# Altium PCB QCopterMV__Pcb.PcbDoc (part 1 of 2)
Units mil, origin at the board's own origin, x right, y up, seen from the top; angles counter-clockwise.
Board outline 2677.17 x 1299.21 mil, 2 copper layers (Top Layer, Bottom Layer); 62 components, 103 nets, 336 pads, 115 vias.
Unrouted connection lines stored in the file: 1.
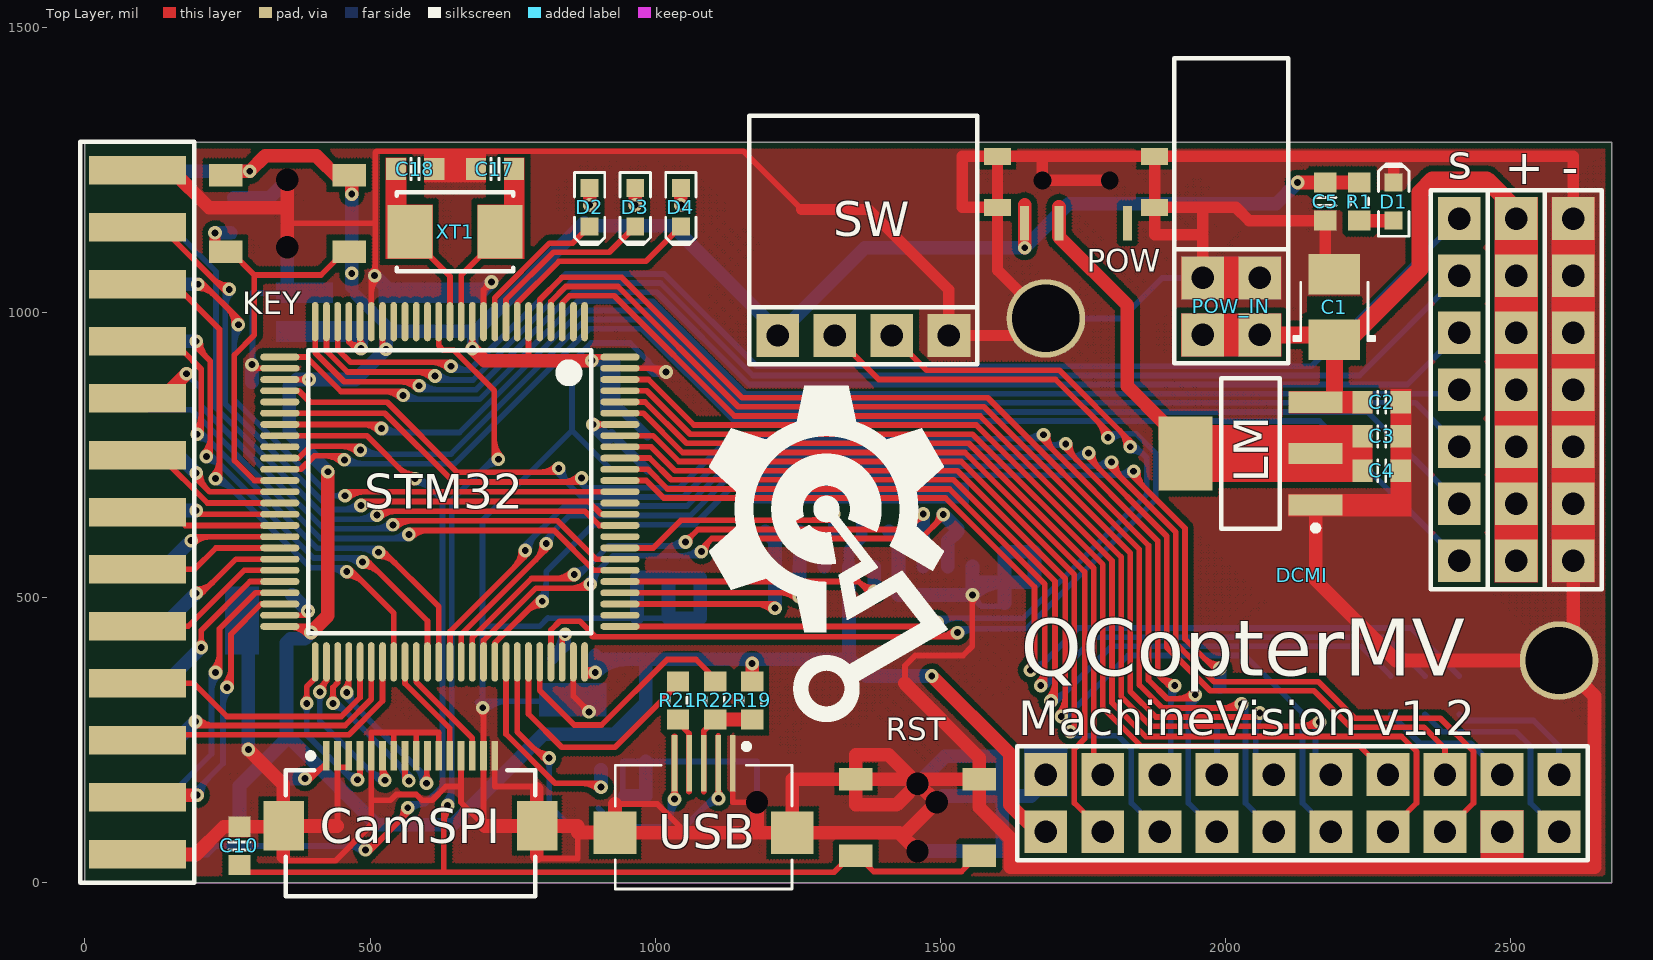
[diagram p0: Top Layer view]
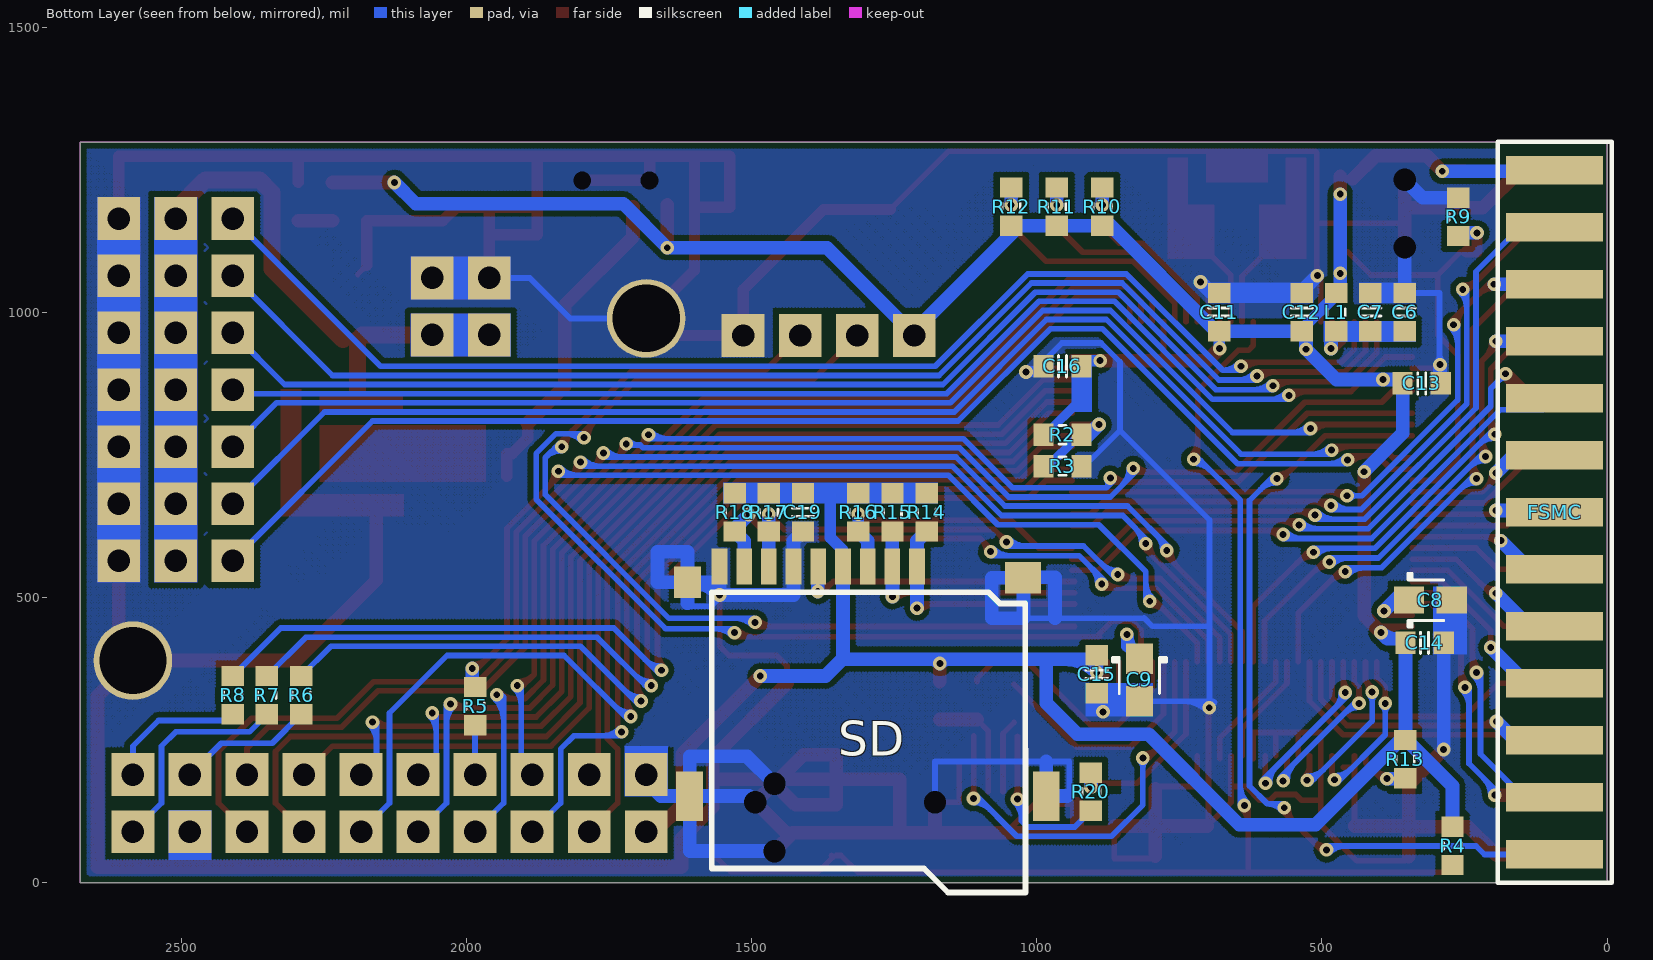
[diagram p1: Bottom Layer view, seen from below]

## Layer stack, top to bottom
Top Layer: signal copper 1.4
Dielectric: dielectric 12.6, FR-4, Dk 4.8
Bottom Layer: signal copper 1.4

## Board outline
0,1299.21 2677.17,1299.21 2677.17,0 0,0

## Design rules (kind name [scope] priority, off if disabled: settings)
Clearance Polygon [InPolygon] p1: gap=10
Clearance [All] p2: gap=6
ComponentClearance [All] p1: gap=0 collisioncheckmode=3 verticalgap=0 showdistances=FALSE
DiffPairsRouting DiffPair_DiffPairsRouting [InDifferentialPair ('USB')] p1: maxlimit=10 minlimit=10 mostfreqgap=10 maxuncoupledlength=500
DiffPairsRouting [All] p2: maxlimit=10 minlimit=10 mostfreqgap=10 maxuncoupledlength=500
HoleSize [All] p1: absolutevalues=TRUE maxlimit=150 minlimit=1 maxpercent=80.000 minpercent=20.000
HoleToHoleClearance [All] p1: gap=0 allowstackedmicrovias=TRUE
MatchedLengths DiffPair_MatchedLengths [InDifferentialPair ('USB')] p1: tolerance=1000 checknetsindiffpair=TRUE checkdiffpairvsdiffpair=TRUE checkothers=TRUE
MinimumSolderMaskSliver [All] p1: minsoldermaskwidth=0
PlaneConnect [All] p1: planeconnectstyle=Direct reliefexpansion=20 reliefentries=4 reliefconductorwidth=10 reliefairgap=10
PolygonConnect [All] p1: connectstyle=Direct reliefconductorwidth=10 reliefentries=4 polygonreliefangle="90 Angle" airgapwidth=10
RoutingVias [All] p1: holewidth=12 width=24 viastyle="Through Hole" minholewidth=12 minwidth=20 maxholewidth=28 maxwidth=50
SilkToSilkClearance [All] p1: silktosilkclearance=2
SilkToSolderMaskClearance SilkscreenOverComponentPads [IsPad] p1: minsilkscreentomaskgap=2 clearancetoexposedcopper=TRUE
SolderMaskExpansion [All] p1: expansion=0
Width DiffPair_Width [InDifferentialPair('USB')] p1: maxlimit=10 minlimit=10 preferedwidth=10
Width [All] p2: maxlimit=30 minlimit=6 preferedwidth=10
20 further rules are at their usual default settings.

## Classes and differential pairs
component class KEY: KEY R9
component class FSMC: FSMC
component class LED: D2 D3 D4 JP3 JP4 JP5 JP6 LED_1 LED_2 LED_B LED_G LED_R LED_W R10 R11 R12
component class POWER: C1 C2 C3 C4 C5 D1 LED LM POW POW_IN "Power 5V" R1
component class PWM: + - PWM_G PWM_S PWM_V S s
component class SD: C19 R14 R15 R16 R17 R18 SD
component class STM32F407VE: C6 C7 C8 C9 C10 C11 C12 C13 C14 C15 C16 C17 C18 L1 R2 R3 R4 RST STM32 XT1
component class SWD: SW
component class USB: R19 R20 R21 R22 USB
component class DCMI: DCMI R5 R6 R7 R8
component class CAMSPI: CamSPI R13

## Components (designator, comment, footprint, x,y, rotation, side; value= is the part's Value field where it differs from the comment)
+ "HDR1X7_180_2.54" HDR1X7_180_2.54 2510,1165 r270 top locked
- "HDR1X7_180_2.54" HDR1X7_180_2.54 2610,1165 r270 top locked
C1 "Cap_Tan_1210" CAP_TAN_B1210 2191,1010 r90 top
C2 "Cap_0603" CAP_0603 2274,843 r180 top
C3 "Cap_0603" CAP_0603 2274,783 r180 top
C4 "Cap_0603" CAP_0603 2274,723 r180 top
C5 "Cap_0603" CAP_0603 2175,1195 r90 top
C6 "Cap_0603" CAP_0603 355,1001 r90 bottom locked
C7 "Cap_0603" CAP_0603 415,1001 r90 bottom locked
C8 "Cap_Tan_0805" CAP_TAN_P0805 310,496 r180 bottom locked
C9 "Cap_Tan_0805" CAP_TAN_P0805 820,356 r270 bottom locked
C10 "Cap_0603" CAP_0603 271,65 r90 top
C11 "Cap_0603" CAP_0603 680,1001 r270 bottom locked
C12 "Cap_0603" CAP_0603 535,1001 r270 bottom locked
C13 "Cap_0603" CAP_0603 325,876 r0 bottom
C14 "Cap_0603" CAP_0603 320,421 r0 bottom locked
C15 "Cap_0603" CAP_0603 895,366 r90 bottom locked
C16 "Cap_0603" CAP_0603 955,906 r180 bottom locked
C17 "Cap_0603" CAP_0603 719,1252 r0 top
C18 "Cap_0603" CAP_0603 579,1252 r180 top
C19 "Cap_0603" CAP_0603 1410,650 r90 bottom
CamSPI "FFC_0.5_16" FFC_0.5_16 571,159 r0 top locked
D1 "LED_0603_BLUE" LED_0603_BLUE 2295,1195 r90 top
D2 "LED_0603_RED" LED_0603_RED 885,1185 r270 top
D3 "LED_0603_GREEN" LED_0603_GREEN 965,1185 r270 top
D4 "LED_0603_BLUE" LED_0603_BLUE 1045,1185 r270 top
DCMI "Camera" CAMERA 1685,90 r0 top locked
FSMC "HDR2X13_180FTB_2.54" HDR2X13_180FTB_2.54 92,1250 r270 bottom
KEY "SW-PB_1" BT_90_T 355,1174 r270 top locked
L1 "Ind_0603" IND_0603 475,1001 r270 bottom locked
LM "LM1117" SOT223 2044,753 r180 top locked (schematic designator LM1)
POW "SW-SPDT" SW_T 1738,1232 r180 top
POW_IN "HDR2X2_90_2.54" HDR2X2_90_2.54 1960,961 r0 top locked
R1 "Res_0603" RES_0603 2235,1195 r90 top
R2 "Res_0603" RES_0603 955,786 r0 bottom
R3 "Res_0603" RES_0603 955,731 r180 bottom
R4 "Res_0603" RES_0603 271,65 r270 bottom
R5 "Res_0603" RES_0603 1985,310 r90 bottom
R6 "Res_0603" RES_0603 2290,329.25 r90 bottom
R7 "Res_0603" RES_0603 2350,329.25 r270 bottom
R8 "Res_0603" RES_0603 2410,329.25 r90 bottom
R9 "Res_0603" RES_0603 261,1168 r270 bottom
R10 "Res_0603" RES_0603 885,1186 r270 bottom
R11 "Res_0603" RES_0603 965,1186 r270 bottom
R12 "Res_0603" RES_0603 1045,1186 r270 bottom
R13 "Res_0603" RES_0603 354,217 r270 bottom
R14 "Res_0603" RES_0603 1193,650 r270 bottom
R15 "Res_0603" RES_0603 1253,650 r270 bottom
R16 "Res_0603" RES_0603 1313,650 r270 bottom
R17 "Res_0603" RES_0603 1470,650 r270 bottom
R18 "Res_0603" RES_0603 1530,650 r270 bottom
R19 "Res_0603" RES_0603 1170,320 r90 top
R20 "Res_0603" RES_0603 905,160 r90 bottom
R21 "Res_0603" RES_0603 1040,320 r90 top
R22 "Res_0603" RES_0603 1105,320 r90 top
RST "SW-PB_1" BT_90_T 1460,115 r90 top locked
s "HDR1X7_180_2.54" HDR1X7_180_2.54 2410,1165 r270 top locked
SD "SD_Card_TF" SD_Card_TF 1210,555 r270 bottom locked
STM32 "STM32F407V" STM32F_100 640,686 r270 top locked
SW "HDR1X4_90F_2.54" HDR1X4_90F_2.54 1215,960 r0 top locked (schematic designator SWD)
USB "USB_Micro" USB_MICRO_B 1085,210 r270 top locked
XT1 "XTAL_5032" XTAL_5032 649,1142 r0 top

## Footprints (in the part's own frame and the unit in brackets; to place one, negate y for a bottom-side part, rotate by r counter-clockwise, add the part's x,y. Pads: shape width x height; smd on the part's side, far side on the other; paste and mask are expansions set on the pad)
BT_90_T [mm]
  round 0.254 hole 1: 0(-1.5,0) 0(1.5,0)
  rect 1x1.5 smd: 1(-1.7,2.75) 1(-1.7,-2.75) 2(1.7,2.75) 2(1.7,-2.75)
  body extent -3.3,-2.3 0.25,2.3, height 1.42
CAMERA [mm] "Connector; Header; 2x2 Position"
  round 3.5 hole 3: 0(0,22.86) 0(22.86,7.62)
  rect 1.905x1.905 hole 1: 1(0,0) 2(0,2.54) 3(2.54,0) 4(2.54,2.54) 5(5.08,0) 6(5.08,2.54) 7(7.62,0) 8(7.62,2.54) 9(10.16,0) 10(10.16,2.54) 11(12.7,0) 12(12.7,2.54) 13(15.24,0) 14(15.24,2.54) 15(17.78,0) 16(17.78,2.54) 17(20.32,0) 18(20.32,2.54) 19(22.86,0) 20(22.86,2.54)
  silkscreen extent -1.27,-1.27 24.13,3.81, body extent -1.39,-1.23 24.26,3.77, height 8.5
CAP_0603 [mm] "Chip Capacitor, Body 1.6x0.8mm, 0603, IPC Medium Density"
  rect 0.9x1 smd: 1(-0.85,0) 2(0.85,0)
  Top Layer pour cut-out: -0.4,0.6 0.4,0.6 0.4,-0.6 -0.4,-0.6
  silkscreen extent -0.18,-0.48 0.18,0.48, body extent -0.85,-0.45 0.85,0.45, height 0.89
CAP_TAN_B1210 [mm] "Molded body capacitor, Body 3.5x2.8mm, 1210, IPC Nominal settings"
  rect 1.8x2.3 smd: 1(-1.45,0) 2(1.45,0)
  Top Layer pour cut-out: -0.508,1.27 0.508,1.27 0.508,-1.27 -0.508,-1.27
  silkscreen extent -1.5,-1.8 1.1,1.8, body extent -1.75,-1.4 1.75,1.4, height 2.1
CAP_TAN_P0805 [mm] "Molded body capacitor, Body 2.0x1.2mm, 0805, IPC Medium Density"
  rect 1.35x1.2 smd: 1(-0.95,0) 2(0.95,0)
  Top Layer pour cut-out: -0.4,0.8 0.4,0.8 0.4,-0.8 -0.4,-0.8
  silkscreen extent -1,-1.2 0.6,1.2, body extent -1.02,-0.67 1.03,0.68, height 1.5
FFC_0.5_16 [mm] "Connector; FH12 Series; 16 Position; 0.5mm Spaced Bottom Contact"
  rect 1.8x2.2 smd: 0(-5.65,-1.498) 0(5.65,-1.498)
  rect 0.3x1.3 smd: 1(-3.75,1.625) 2(-3.25,1.625) 3(-2.75,1.625) 4(-2.25,1.625) 5(-1.75,1.625) 6(-1.25,1.625) 7(-0.75,1.625) 8(-0.25,1.625) 9(0.25,1.625) 10(0.75,1.625) 11(1.25,1.625) 12(1.75,1.625) 13(2.25,1.625) 14(2.75,1.625) 15(3.25,1.625) 16(3.75,1.625)
  silkscreen extent -5.55,-4.62 5.55,1.75, body extent -6.75,-3.93 6.75,1.41, height 2.08
HDR1X4_90F_2.54 [mm] "Connector; Header; 2 Position"
  rect 1.905x1.905 hole 1: 1(0,0) 2(2.54,0) 3(5.08,0) 4(7.62,0)
  silkscreen extent -1.27,-1.27 8.89,9.78, body extent -1.39,-0.16 9.02,9.9, height 2.52
HDR1X7_180_2.54 [mm] "Connector; Header; 6 Position"
  rect 1.905x1.905 hole 1: 1(0,0) 2(2.54,0) 3(5.08,0) 4(7.62,0) 5(10.16,0) 6(12.7,0) 7(15.24,0)
  silkscreen extent -1.27,-1.27 16.51,1.27, body extent -1.27,-1.27 16.51,1.27, height 7.58
HDR2X2_90_2.54 [mm] "Connector; Header; 2x2 Position"
  rect 1.905x1.905 hole 1: 1(0,0) 2(0,2.54) 3(2.54,0) 4(2.54,2.54)
  silkscreen extent -1.27,-1.27 3.81,12.32, body extent -1.27,-0.31 3.81,12.57, height 5.04
HDR2X13_180FTB_2.54 [mil] "Connector; Header; 2x2 Position"
  rect 50x170 smd: 1(0,0) 3(100,0) 5(200,0) 7(300,0) 9(400,0) 11(500,0) 13(600,0) 15(700,0) 17(800,0) 19(900,0) 21(1000,0) 23(1100,0) 25(1200,0)
  rect 50x170 smd far side: 2(0,0) 4(100,0) 6(200,0) 8(300,0) 10(400,0) 12(500,0) 14(600,0) 16(700,0) 18(800,0) 20(900,0) 22(1000,0) 24(1100,0) 26(1200,0)
  silkscreen extent -50,-100 1250,100, body extent -55,-45 1255,416, height 98
IND_0603 [mm] "Chip bead, Body 1.6x0.8mm, 0603, IPC Medium Density"
  rect 0.9x1 smd: 1(-0.85,0) 2(0.85,0)
  Top Layer pour cut-out: -0.4,0.6 0.4,0.6 0.4,-0.6 -0.4,-0.6
  silkscreen extent -0.15,-0.41 0.15,0.41, body extent -0.8,-0.4 0.8,0.4, height 0.79
LED_0603_BLUE [mm] "Chip Capacitor, 2-Leads, Body 1.6x0.8mm, IPC Medium Density"
  rect 0.8x0.8 smd: 1(-0.85,0) 2(0.85,0)
  Top Layer pour cut-out: -0.5,0.5 0.5,0.5 0.5,-0.5 -0.5,-0.5
  silkscreen extent -1.55,-0.67 1.68,0.67, body extent -0.8,-0.4 0.8,0.4, height 0.75
LED_0603_GREEN [mm] "Chip Capacitor, 2-Leads, Body 1.6x0.8mm, IPC Medium Density"
  rect 0.8x0.8 smd: 1(-0.85,0) 2(0.85,0)
  Top Layer pour cut-out: -0.5,0.5 0.5,0.5 0.5,-0.5 -0.5,-0.5
  silkscreen extent -1.55,-0.67 1.68,0.67, body extent -0.8,-0.4 0.8,0.4, height 0.75
LED_0603_RED [mm] "Chip Capacitor, 2-Leads, Body 1.6x0.8mm, IPC Medium Density"
  rect 0.8x0.8 smd: 1(-0.85,0) 2(0.85,0)
  Top Layer pour cut-out: -0.5,0.5 0.5,0.5 0.5,-0.5 -0.5,-0.5
  silkscreen extent -1.55,-0.67 1.68,0.67, body extent -0.8,-0.4 0.8,0.4, height 0.75
RES_0603 [mm]
  rect 0.9x1 smd: 1(-0.85,0) 2(0.85,0)
  Top Layer pour cut-out: -0.4,0.6 0.4,0.6 0.4,-0.6 -0.4,-0.6
  silkscreen extent -0.15,-0.41 0.15,0.41, body extent -0.87,-0.47 0.88,0.48, height 0.54
SD_Card_TF [mm]
  rect 1.6x0.7 smd: 1(0,0) 2(0,-1.1) 3(0,-2.2) 4(0,-3.3) 5(0,-4.4) 6(0,-5.5) 7(0,-6.6) 8(0,-7.7) 9(0,-8.8)
  rect 1.4x1.6 smd: 6(0.5,4.727)
  rect 1.4x1.2 smd: 6(0.703,-10.225)
  rect 2.2x1.2 smd: 6(10.227,-10.127) 6(10.227,5.754)
  round 0.762 hole 1: 6(10.5,-7.2) 6(10.5,0.8)
  silkscreen extent 1.14,-9.14 14.52,4.83, body extent -0.73,-10.31 14.48,5.99, height 2
SOT223 [mm] "SOT223, 4-Leads, Body 6.7x7.3mm (max), Pitch 2.29mm, IPC Medium Density"
  rect 2.4x0.95 smd: 1(-2.9,2.29) 2(-2.9,0) 3(-2.9,-2.29)
  rect 2.4x3.3 smd: 2(2.9,0)
  silkscreen extent -3.03,-3.35 1.3,3.44, body extent -3.65,-3.35 3.65,3.35, height 1.8
STM32F_100 [mm] "TSQFP, 100-Leads, Body 16.2x16.2mm (max), Pitch 0.50mm, IPC Medium Density"
  oval 1.75x0.3 smd: 1(-7.575,6) 2(-7.575,5.5) 3(-7.575,5) 4(-7.575,4.5) 5(-7.575,4) 6(-7.575,3.5) 7(-7.575,3) 8(-7.575,2.5) 9(-7.575,2) 10(-7.575,1.5) 11(-7.575,1) 12(-7.575,0.5) 13(-7.575,0) 14(-7.575,-0.5) 15(-7.575,-1) 16(-7.575,-1.5) 17(-7.575,-2) 18(-7.575,-2.5) 19(-7.575,-3) 20(-7.575,-3.5) 21(-7.575,-4) 22(-7.575,-4.5) 23(-7.575,-5) 24(-7.575,-5.5) 25(-7.575,-6) 51(7.575,-6) 52(7.575,-5.5) 53(7.575,-5) 54(7.575,-4.5) 55(7.575,-4) 56(7.575,-3.5) 57(7.575,-3) 58(7.575,-2.5) 59(7.575,-2) 60(7.575,-1.5) 61(7.575,-1) 62(7.575,-0.5) 63(7.575,0) 64(7.575,0.5) 65(7.575,1) 66(7.575,1.5) 67(7.575,2) 68(7.575,2.5) 69(7.575,3) 70(7.575,3.5) 71(7.575,4) 72(7.575,4.5) 73(7.575,5) 74(7.575,5.5) 75(7.575,6)
  oval 0.3x1.75 smd: 26(-6,-7.575) 27(-5.5,-7.575) 28(-5,-7.575) 29(-4.5,-7.575) 30(-4,-7.575) 31(-3.5,-7.575) 32(-3,-7.575) 33(-2.5,-7.575) 34(-2,-7.575) 35(-1.5,-7.575) 36(-1,-7.575) 37(-0.5,-7.575) 38(0,-7.575) 39(0.5,-7.575) 40(1,-7.575) 41(1.5,-7.575) 42(2,-7.575) 43(2.5,-7.575) 44(3,-7.575) 45(3.5,-7.575) 46(4,-7.575) 47(4.5,-7.575) 48(5,-7.575) 49(5.5,-7.575) 50(6,-7.575) 76(6,7.575) 77(5.5,7.575) 78(5,7.575) 79(4.5,7.575) 80(4,7.575) 81(3.5,7.575) 82(3,7.575) 83(2.5,7.575) 84(2,7.575) 85(1.5,7.575) 86(1,7.575) 87(0.5,7.575) 88(0,7.575) 89(-0.5,7.575) 90(-1,7.575) 91(-1.5,7.575) 92(-2,7.575) 93(-2.5,7.575) 94(-3,7.575) 95(-3.5,7.575) 96(-4,7.575) 97(-4.5,7.575) 98(-5,7.575) 99(-5.5,7.575) 100(-6,7.575)
  silkscreen extent -6.3,-6.3 6.3,6.3, body extent -8,-8 8,8, height 1.2
SW_T [mm]
  rect 1.2x0.762 smd: 0(-3.5,-1.073) 0(-3.5,1.2) 0(3.5,-1.073) 0(3.5,1.2)
  round 0.254 hole 0.8: 0(-1.5,0) 0(1.5,0)
  rect 0.4x1.524 smd: 1(2.286,1.905) 2(0.762,1.905) 3(-2.286,1.905)
USB_MICRO_B [mm] "Connector; USB2.0, Type A, SM; 5 Position; Right Angle"
  rect 2.5x0.25 smd: 1(0,-1.3) 2(0,-0.65) 3(0,0) 4(0,0.65) 5(0,1.3)
  rect 1.9x1.9 smd: ""(3.095,3.95) ""(3.095,-3.95)
  silkscreen extent -0.87,-3.94 5.6,3.94, body extent 0.24,-4 5.67,3.98, height 2.71
XTAL_5032 [mm] "Molded Capacitor, 2-Leads, Body 5.0x3.2mm, IPC Medium Density"
  rect 2x2.4 smd: 1(-2,0) 2(2,0)
  silkscreen extent -2.6,-1.75 2.6,1.75, body extent -2.5,-1.6 2.5,1.6, height 1

## Part data
+ - FSMC POW_IN s SW: "Header"
C1 C2 C3 C4 C5 C6 C7 C8 C9 C10 C11 C12 C13 C14 C15 C16 C17 C18 C19: "Capacitor"
CamSPI: "FFC"
D1 D2 D3 D4: "LED"
DCMI: "Module"
KEY RST: "Switch"
L1: "Inductor"
LM: "Power"
POW: library part SW-SPDT_1, "SPDT Subminiature Toggle Switch, Right Angle Mounting, Vertical Actuation"
R1 R2 R3 R4 R5 R6 R7 R8 R9 R10 R11 R12 R13 R14 R15 R16 R17 R18 R19 R20 R21 R22: "Resistor"
SD: "SD"
STM32: "MCU"
USB: "USB"
XT1: "Crystal Oscillator"

## Via types
v1: diameter 24, hole 12, Top Layer to Bottom Layer, 115 vias

## Nets (pads, with @x,y where several pads share a name; then routed paths per layer and width w, separated by ;. In a path a pad name is that pad's centre, name@x,y a point inside that pad or via, vN(x,y) a via of type N, cw(c..) or ccw(c..) an arc to the next point about the centre after c; other vN are vias at no path point)
3V3: C5.2 C11.2 C12.2 C13.2 C14.2 C15.2 C16.2 C19.2 DCMI.1 FSMC.1 KEY.1 L1.1 POW.1 R1.2 R2.2 R4.1 R10.2 R11.2 R12.2 R13.1 R14.1 R15.1 R16.1 R17.1 R18.1 R19.2 SD.4 STM32.6 STM32.11 STM32.19 STM32.28 STM32.50 STM32.75 STM32.100 SW.1 | length 7056.4
  Top Layer w10: STM32.50@341.77,449.78 395.87,449.78 v1@401.32,444.32 ; STM32.28@341.77,882.85 v1@388.15,882.85 ; STM32.50@354.18,449.78 cw(c354.18,397.18) v1@391.37,434.37 ; STM32.28@375.74,882.85 ccw(c375.74,900.26) v1@388.05,887.95 ; 376.46,882.85 cw(c376.46,866.46) v1@388.05,878.05 ; 378.32,449.78 cw(c378.32,421.32) v1@398.44,441.44 ; v1@521.89,937.89 STM32.19@521.89,984.23 ; v1@674.42,942.32 ccw(c662.47,954.27) 679.37,954.27 ccw(c696.27,954.27) v1@684.32,942.32 ; v1(679.37,937.37) STM32.11@679.37,984.23 ; 777.8,916 STM32.6@777.8,984.23 ; STM32.75@876.22,387.77 876.22,372.78 STM32.75@880,369 ; v1(889,916) 895.22,922.22 STM32.100@938.23,922.22
  Top Layer w20: STM32.75@880,369 v1(895,369)
  Top Layer w24: KEY.1@251,1248 v1(289,1248) 316,1275 406,1275 KEY.1@446,1235 ; v1(396.32,439.32) 426,469 v1(426,721) ; v1(468,1208) KEY.1@468,1239.2 ; v1(679.37,937.37) 700.74,916 v1(889,916) ; R19.2@1170,353.46 v1(1170,385) ; v1(1485,363) 1622,226 1622,137 1669,90 DCMI.1@1685,90 ; v1(1648,1114) 1648,1189 ; v1(2126.54,1228.46) C5.2@2175,1228.46 R1.2@2235,1228.46
  Bottom Layer w10: C12.2@535,971.46 C12.2@535,974.46
  Bottom Layer w16: 923.27,847.73 R2.2@986.73,784.27
  Bottom Layer w20: R13.1@354,250.46 R13.1@362.54,250.46 ; v1@467,1068 v1(468,1069) ; L1.1@475,1031.46 C12.2@535,971.46 ; v1@680,938 C11.2@680,967.54 C11.2@685.54,967.54 ; v1(889,916) 911.54,916 C16.2@921.54,906 ; R16.1@1313,683.46 1362,683.46 1362,605.51 1339.92,583.43 SD.4@1339.92,555
  Bottom Layer w24: FSMC.1@76,1248 v1(289,1248) ; R4.1@271,98.46 271,170 353.46,252.46 C14.2@353.46,421 360.46,428 385,428 v1(396.32,439.32) cw(c368.99,466.66) C14.2@368.99,428 ; C13.2@358.46,871 358.46,788.54 v1(426,721) ; R13.1@362.54,250.46 511,102 645,102 804,261 929,261 983.46,315.46 983.46,392.46 ; C13.2@371.46,883 v1(393,883) 475,883 v1(528,936) C12.2@528,958.13 ; L1.1@468,1045.46 v1(468,1069) v1(468,1208) ; C12.2@535,971.46 538.93,967.54 C11.2@680,967.54 ; C11.2@685.54,967.54 R10.2@876,1158 ; R10.2@885,1152.54 1030.46,1152.54 1215,968 SW.1@1215,960 ; C15.2@895,392.46 983.46,392.46 ; C15.2@895,399.46 v1(895,369) cw(c951.65,312.35) 951.65,392.46 ; 1151.98,392.46 cw(c1151.98,366.98) v1(1170,385) cw(c1188.02,366.98) 1188.02,392.46 ; SW.1@1215.32,961.32 1368,1114 v1(1648,1114) 1725,1191 2089.07,1191 v1(2126.54,1228.46) ; SD.4@1339.92,555 1339.92,393.54 1370.46,363 v1(1485,363) ; 1341,392.46 983.46,392.46
5V: +.1 +.2 +.3 +.4 +.5 +.6 +.7 C1.1 C2.2 LM.3 POW_IN.1 POW_IN.3 | length 810.2
  Top Layer w10: LM.3@2128.84,843.16 LM.3@2158.17,843.16
  Top Layer w20: C1.1@2191,952.91 C1.1@2216.91,952.91 ; +.1@2510,1165 +.1@2510,1181
  Top Layer w30: POW_IN.3@2060,961 C1.1@2182.91,961 ; LM.3@2191,846 C1.1@2191,952.91 ; C1.1@2216.91,952.91 2341,1077 2341,1211 2363,1233 2458,1233 +.1@2510,1181
BOOT0: R2.1 R3.1 STM32.94 | length 198.1
  Top Layer w10: v1@891.11,804.11 STM32.94@938.23,804.11 ; v1@895.95,799.05 cw(c908.17,786.83) STM32.94@908.17,804.11 ; v1@895.95,808.95 ccw(c907.63,820.63) STM32.94@907.63,804.11
  Bottom Layer w16: R2.1@923.27,787.73 R3.1@986.73,724.27
  Bottom Layer w24: v1(891,804) R2.1@915.5,779.5
CAM_CS: CamSPI.4 STM32.51 | length 392.7
  Top Layer w10: v1@384.05,319.95 ccw(c372.1,331.9) 389,331.9 ccw(c405.9,331.9) v1@393.95,319.95 ; v1(389,315) 389,344.53 402.47,358 403,358 403.78,358.78 STM32.51@403.78,387.77 ; v1@482.42,180.42 CamSPI.4@482.42,222.98
  Bottom Layer w10: v1@384.05,310.05 cw(c372.1,298.1) 389,298.1 cw(c405.9,298.1) v1@393.95,310.05 ; 389,260 v1@472.68,176.32 ; 389,261 v1(389,315) ; 448.98,200.02 ccw(c478,229.04) v1@478,188 ; 466.05,182.95 ccw(c478,194.9) v1@478,178
  other v1: 478,181
CAM_D0: DCMI.16 STM32.63 | length 2445.3
  Top Layer w10: STM32.63@640,387.77 640,441 v1@776,577 ; 752.98,553.98 ccw(c723.96,583) v1@765,583 ; 770.05,571.05 ccw(c758.1,583) v1@775,583 ; v1@1755.5,749.5 1897,608 1897,413.37 1973.37,337 2155,337 2219,273 2348,273 2385,236 DCMI.16@2385,190 ; v1@1767,754 ccw(c1805.63,754) 1778.31,726.69
  Bottom Layer w10: v1@767,587 841,661 1055.75,661 1141.75,747 v1@1760,747 ; v1@779,583 cw(c817.63,583) 790.31,610.31 ; 1726.2,747 ccw(c1726.2,787.8) v1@1755.05,758.95
  other v1: 772,583 1760,754
CAM_D1: DCMI.15 STM32.64 | length 2592.4
  Top Layer w10: STM32.64@659.69,387.77 659.69,435.68 v1@814,590 ; 789.98,565.98 ccw(c760.96,595) v1@802,595 ; 807.05,583.05 ccw(c795.1,595) v1@812,595 ; v1@1794.5,733.5 1913,615 1913,420 1980,353 2163,353 2227,289 2376.56,289 2435,230.56 2435,140 DCMI.15@2385,90 ; v1@1797,738 ccw(c1813.9,738) 1801.95,726.05 ; v1@1807,738 ccw(c1848.04,738) 1819.02,708.98
  Bottom Layer w10: v1@804,599 849.32,644.32 ; v1@816,595 cw(c854.63,595) 827.31,622.31 ; 850.32,644.32 1061.7,644.32 1148.37,731 v1@1798.88,731 ; 1766.2,731 ccw(c1766.2,771.8) v1@1795.05,742.95
  other v1: 809,595 1800,738
CAM_D2: DCMI.14 STM32.97 | length 1772.9
  Top Layer w10: STM32.97@938.23,863.17 985.21,863.17 1061.37,787 1556.51,787 1785,558.51 1785,307 1852,240 2235,240 DCMI.14@2285,190
CAM_D3: DCMI.13 STM32.98 | length 1974.2
  Top Layer w10: STM32.98@938.23,882.85 988.15,882.85 1068,803 1563.14,803 1801,565.14 1801,316 1860,257 2308.56,257 2335,230.56 2335,140 DCMI.13@2285,90
CAM_D4: DCMI.12 STM32.3 | length 1989.4
  Top Layer w10: STM32.3@836.85,984.23 836.85,1016.99 849.53,1029.68 928.32,1029.68 1139,819 1569.76,819 1817,571.76 1817,327 1869,275 v1@2165,275 ; 2131.2,275 ccw(c2131.2,315.8) v1@2160.05,286.95
  Bottom Layer w10: 2158,248.2 cw(c2198.8,248.2) v1@2169.95,277.05 ; v1@2158,282 2158,217 DCMI.12@2185,190
  other v1: 2165,282
CAM_D5: DCMI.11 STM32.92 | length 1930.8
  Top Layer w10: STM32.92@938.23,764.74 993.12,764.74 1034.86,723 1530,723 1719,534 v1@1719,292 ; v1@1707.05,296.95 ccw(c1678.2,325.8) 1719,325.8
  Bottom Layer w10: v1@1712,289 ccw(c1712,305.9) 1723.95,293.95 ; v1@1712,299 ccw(c1712,340.04) 1741.02,311.02 ; v1@1717,287 1829,399 2034,399 2135,298 2135,140 DCMI.11@2185,90
  other v1: 1712,292
CAM_D6: DCMI.10 STM32.4 | length 1892.4
  Top Layer w10: STM32.4@817.17,984.23 817.17,1019.94 843.23,1046 934.63,1046 1145.63,835 1576.39,835 1833,578.39 1833,336 1878,291 v1@2055,291
  Bottom Layer w10: 2053,264.2 cw(c2093.8,264.2) v1@2064.95,293.05 ; v1@2053,298 2053,222 DCMI.10@2085,190
  other v1: 2060,298
CAM_D7: DCMI.9 STM32.5 | length 2045.3
  Top Layer w10: STM32.5@797.48,984.23 797.48,1022.88 836.6,1062 941.25,1062 1152.25,851 1583.02,851 1849,585.02 1849,347 1889,307 v1@2028,307 ; 1994.2,307 ccw(c1994.2,347.8) v1@2023.05,318.95
  Bottom Layer w10: v1@2023.05,309.05 cw(c1994.2,280.2) 2035,280.2 ; v1@2035,313 2035,140 DCMI.9@2085,90
  other v1: 2028,314
CAM_HSYN: DCMI.6 STM32.29 | length 2379.6
  Top Layer w10: STM32.29@341.77,863.17 374.83,863.17 395,843 530,843 653,720 v1@829,720 ; 797.2,720 ccw(c797.2,760.8) v1@826.05,731.95 ; v1@1715,766 1881,600 1881,366 v1@1906,341 ; v1@1727,770 ccw(c1765.63,770) 1738.31,742.69 ; 1881.98,365.02 ccw(c1911,394.04) v1@1911,353 ; 1899.05,347.95 ccw(c1911,359.9) v1@1911,343
  Bottom Layer w10: v1@825.5,722.5 871,677 ; v1@828,727 ccw(c844.9,727) 832.95,715.05 ; v1@838,727 ccw(c879.04,727) 850.02,697.98 ; 872,677 1049.12,677 1135.12,763 1690.53,763 1695.53,768 1715,768 v1@1720,763 ; 1698.27,768 ccw(c1698.27,791.73) v1@1715.05,774.95 ; 1707.93,768 cw(c1707.93,757.93) v1@1715.05,765.05 ; DCMI.6@1885,190 1904,209 v1@1904,347 ; 1904,312.2 cw(c1944.8,312.2) v1@1915.95,341.05
  other v1: 1911,346 831,727 1720,770
CAM_INT: CamSPI.14 STM32.60 | length 210.5
  Top Layer w10: STM32.60@580.94,387.77 580.94,352.68 679.27,254.36 CamSPI.14@679.27,217.98
CAM_IO1: R6.2 STM32.91 | length 1758.8
  Top Layer w10: 972.69,745.06 990.18,745.06 1028.24,707 1523,707 1701,529 v1@1701,320 ; v1@1689.05,323.95 ccw(c1660.2,352.8) 1701,352.8
  Bottom Layer w10: v1@1694,316 ccw(c1694,332.9) 1705.95,320.95 ; v1@1694,326 ccw(c1694,367.04) 1723.02,338.02 ; v1@1699,314 1800,415 2237.72,415 R6.2@2290,362.72
  other v1: 1694,319
CAM_IO2: R8.2 STM32.89 | length 1843.3
  Top Layer w10: STM32.89@938.23,705.68 984.3,705.68 1014.98,675 1509,675 1665,519 v1@1665,372 ; v1@1653.05,377.95 ccw(c1624.2,406.8) 1665,406.8
  Bottom Layer w10: v1@1658,370 ccw(c1658,386.9) 1669.95,374.95 ; v1@1658,380 ccw(c1658,421.04) 1687.02,392.02 ; v1@1663,368 1742,447 2325.72,447 R8.2@2410,362.72
  other v1: 1658,373
CAM_IO3: R7.1 STM32.90 | length 1818.3
  Top Layer w10: STM32.90@938.23,725.37 987.24,725.37 1021.61,691 1516,691 1683,524 v1@1683,346 ; v1@1671.05,350.95 ccw(c1642.2,379.8) 1683,379.8
  Bottom Layer w10: v1@1676,343 ccw(c1676,359.9) 1687.95,347.95 ; v1@1676,353 ccw(c1676,394.04) 1705.02,365.02 ; v1@1681,341 1771,431 2281.72,431 R7.1@2350,362.72
  other v1: 1676,346
CAM_MISO: CamSPI.8 STM32.53 | length 413.1
  Top Layer w10: v1@430.05,319.95 ccw(c418.1,331.9) 435,331.9 ccw(c451.9,331.9) v1@439.95,319.95 ; v1(435,315) 435,343 443.15,351.15 STM32.53@443.15,387.77 ; v1@561.16,179.84 CamSPI.8@561.16,222.98
  Bottom Layer w10: v1@435,308 cw(c435,271.79) 460.61,297.39 ; v1@439,319 v1@573,185 ; 548.27,209.73 cw(c517.54,179) v1@561,179 ; 565.34,192.66 cw(c551.69,179) v1@571,179
  other v1: 568,179
CAM_MOSI: CamSPI.10 STM32.54 | length 431.9
  Top Layer w10: v1@454.05,338.95 ccw(c432.84,360.16) STM32.54@462.83,360.16 ; v1(459,334) 462.83,337.83 STM32.54@462.83,387.77 ; v1@594.05,179.95 ccw(c580.83,193.17) 599.53,193.17 ; v1@599.53,184.47 CamSPI.10@599.53,222.98 ; 599.53,190.63 ccw(c614.63,190.63) v1@603.95,179.95
  Bottom Layer w10: v1@453,331 v1@603,181 ; v1@466,334 ccw(c504.63,334) 477.31,306.69 ; 579.98,204.02 cw(c550.96,175) v1@592,175 ; 597.05,186.95 cw(c585.1,175) v1@602,175
  other v1: 599,175
CAM_PCLK: DCMI.7 STM32.31 | length 2524.7
  Top Layer w10: STM32.31@341.77,823.8 525.85,823.8 646.65,703 v1@871.32,703 ; 837.2,703 ccw(c837.2,743.8) v1@866.05,714.95 ; v1@1676,781 1865,592 1865,356 1898,323 v1@1947,323 ; v1@1678,786 ccw(c1694.9,786) 1682.95,774.05 ; v1@1688,786 ccw(c1729.04,786) 1700.02,756.98 ; 1913.2,323 ccw(c1913.2,363.8) v1@1942.05,334.95
  Bottom Layer w10: v1@866,705 878,693 cw(c885.26,700.26) v1@876.78,706.05 ; 879,693 1042.49,693 1128.49,779 v1@1681,779 ; 1647.2,779 ccw(c1647.2,819.8) v1@1676.05,790.95 ; 1935,284.13 cw(c1992.87,284.13) v1@1951.95,325.05 ; 1935,308.27 cw(c1968.73,308.27) v1@1944.88,332.12 ; v1@1940,331 1935,326 1935,140 DCMI.7@1985,90
  other v1: 1947,330 871,710 1681,786
CAM_RDY: CamSPI.12 STM32.59 | length 197.4
  Top Layer w10: STM32.59@561.26,387.77 561.26,349.74 639.9,271.1 CamSPI.12@639.9,222.98
CAM_SCK: CamSPI.6 STM32.52 | length 420.3
  Top Layer w10: v1(412,335) 412,343 STM32.52@423.46,354.46 ; v1@418.76,336.83 cw(c436.35,341.58) STM32.52@423.46,354.46 ; STM32.52@423.46,387.77 STM32.52@423.46,354.46 ; v1@520.79,185.21 v1@524,182 ; v1@521.79,185.21 CamSPI.6@521.79,222.98 ; CamSPI.6@521.79,207.07 ccw(c553.07,207.07) v1@530.95,184.95
  Bottom Layer w10: v1@407.05,330.05 cw(c395.1,318.1) 412,318.1 cw(c428.9,318.1) v1@416.95,330.05 ; v1(412,335) 412,284 v1@520.68,175.32 ; 496.98,199.02 ccw(c526,228.04) v1@526,187 ; 514.05,181.95 ccw(c526,193.9) v1@526,177
  other v1: 526,180
CAM_SCL: DCMI.3 STM32.95 | length 1413.6
  Top Layer w10: STM32.95@938.23,823.8 979.32,823.8 1048.12,755 1543.25,755 1753,545.25 1753,253 1735,235 1735,140 DCMI.3@1785,90
CAM_SDA: DCMI.4 STM32.96 | length 1320.1
  Top Layer w10: STM32.96@938.23,843.48 982.26,843.48 1054.75,771 1549.88,771 1769,551.88 1769,206 DCMI.4@1785,190
CAM_VSYN: DCMI.5 STM32.93 | length 1486.7
  Top Layer w10: STM32.93@938.23,784.43 996.07,784.43 1041.49,739 1536.63,739 1735,540.63 v1@1735,266
  Bottom Layer w10: v1@1728,258 1812,258 1835,235 1835,140 DCMI.5@1885,90 ; v1@1732.95,269.95 ccw(c1761.8,298.8) 1761.8,258
  other v1: 1728,265
CAM_XCLK: R5.2 STM32.67 | length 1912.2
  Top Layer w10: STM32.67@718.74,387.77 718.74,420.54 v1@797.6,499.4 ; 773.32,475.12 cw(c802,446.45) v1@802,487 ; v1@1833.5,717.5 1929,622 1929,428 v1@1987,370 ; v1@1836,722 ccw(c1852.9,722) 1840.95,710.05 ; v1@1846,722 ccw(c1887.04,722) 1858.02,692.98 ; 1962.69,394.31 ccw(c1990,421.63) v1@1990,383
  Bottom Layer w10: v1@797.05,498.95 ccw(c768.2,527.8) 809,527.8 ; v1@809,493 809,546 891.32,628.32 1068.32,628.32 1155,715 v1@1838.5,715 ; 1805.2,715 ccw(c1805.2,755.8) v1@1834.05,726.95
  Bottom Layer w24: R5.2@1990,343.46 v1(1990,376)
  other v1: 802,494 1839,722